# Altium PCB Zotino.PCBDOC (part 5 of 8) (continued)
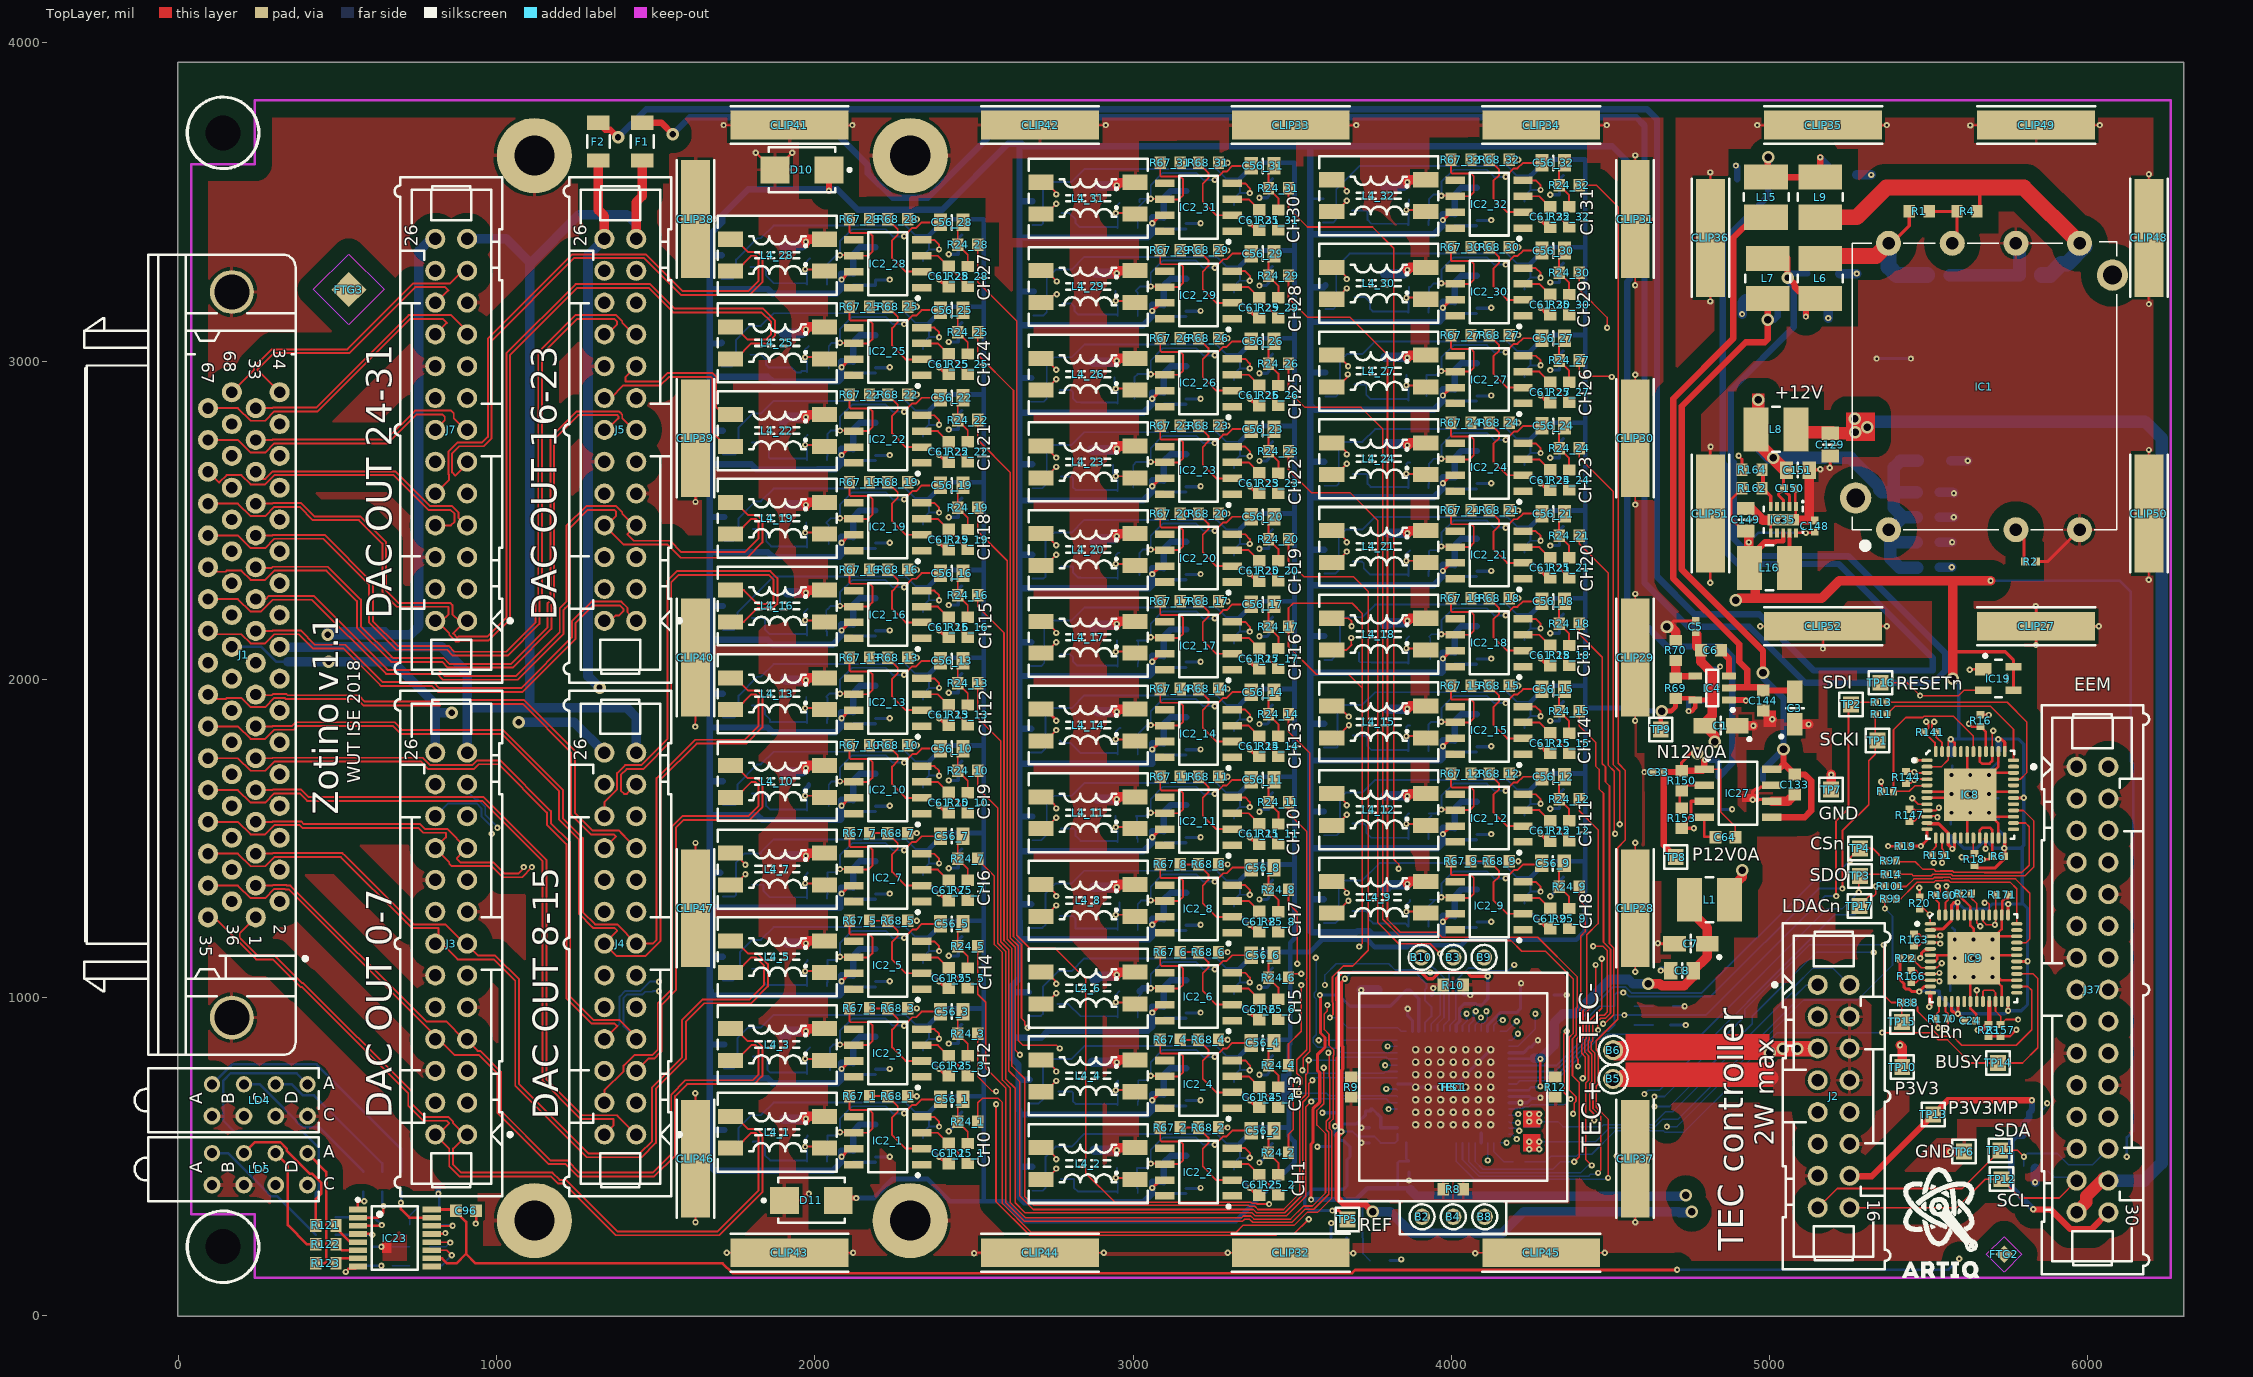
[diagram p0: TopLayer view]
## Nets (pads, with @x,y where several pads share a name; then routed paths per layer and width w, separated by ;. In a path a pad name is that pad's centre, name@x,y a point inside that pad or via, vN(x,y) a via of type N, cw(c..) or ccw(c..) an arc to the next point about the centre after c; other vN are vias at no path point) (continued)
NetC56_1_1: C56_1.1 R24_1.2 R25_1.1 | length 158.6
  TopLayer w6: C56_1.1@2465.43,680 2448.5,663.07 R24_1.2@2448.5,610 2480,578.5 R25_1.1@2480,541.5
NetC56_1_2: C56_1.2 IC2_1.6 R5_1.1 R7_1.1 R67_1.2 | length 804.1
  TopLayer w6: v1(2078.56,576.81) 2120.5,576.81 IC2_1.6@2122.31,575 2167.41,575 2180.2,587.79 2180.2,638.07 2171.62,646.65 2111.62,646.65 2108.5,649.76 R67_1.2@2108.5,690 ; v1(2280,636.02) 2306.3,662.31 2317.55,662.31 2335.23,680 C56_1.2@2394.57,680
  BottomLayer w6: R5_1.1@2037.9,484.5 R5_1.1@2037.9,500 ; R5_1.1@2039.37,500 R7_1.1@2039.37,566.93 2070.87,566.93 2078.56,574.63 v1(2078.56,576.81) 2078.56,619.82 2117.01,658.27 2221.62,658.27 2243.87,636.02 v1(2280,636.02)
NetC56_2_1: C56_2.1 R24_2.2 R25_2.1 | length 158.6
  TopLayer w6: C56_2.1@3441.81,581.58 3424.88,564.65 R24_2.2@3424.88,511.58 3456.38,480.08 R25_2.1@3456.38,443.07
NetC56_2_2: C56_2.2 IC2_2.6 R5_2.1 R7_2.1 R67_2.2 | length 804.5
  TopLayer w6: v1(3054.94,478.38) 3096.88,478.38 IC2_2.6@3098.68,476.57 3143.79,476.57 3156.57,489.36 3156.57,539.65 3148,548.22 3088,548.22 3084.88,551.34 R67_2.2@3084.88,591.57 ; v1(3256.38,537.59) 3282.67,563.89 3293.93,563.89 3311.61,581.58 C56_2.2@3370.94,581.58
  BottomLayer w6: R5_2.1@3011.81,401.57 R7_2.1@3011.81,464.57 3041.13,464.57 v1(3054.94,478.38) 3054.94,521.4 3093.39,559.84 3198,559.84 3220.25,537.59 v1(3256.38,537.59) ; R5_2.1@3014.27,386.07 R5_2.1@3014.27,401.57
NetC56_3_1: C56_3.1 R24_3.2 R25_3.1 | length 158.6
  TopLayer w6: C56_3.1@2465.43,955.59 2448.5,938.66 R24_3.2@2448.5,885.59 2480,854.09 R25_3.1@2480,817.09
NetC56_3_2: C56_3.2 IC2_3.6 R5_3.1 R7_3.1 R67_3.2 | length 783.4
  TopLayer w6: v1(2078.56,852.4) 2120.5,852.4 IC2_3.6@2122.31,850.59 2167.41,850.59 2180.2,863.38 2180.2,913.66 2171.62,922.24 2111.62,922.24 2108.5,925.35 R67_3.2@2108.5,965.59 ; v1(2280,911.61) 2306.3,937.91 2317.55,937.91 2335.23,955.59 C56_3.2@2394.57,955.59
  BottomLayer w6: R7_3.1@2047.24,771.65 R5_3.1@2047.24,842.52 2057.12,852.4 v1(2078.56,852.4) 2078.56,895.42 2117.01,933.86 2221.62,933.86 2243.87,911.61 v1(2280,911.61)
NetC56_4_1: C56_4.1 R24_4.2 R25_4.1 | length 158.6
  TopLayer w6: C56_4.1@3441.81,857.17 3424.88,840.24 R24_4.2@3424.88,787.17 3456.38,755.67 R25_4.1@3456.38,718.66
NetC56_4_2: C56_4.2 IC2_4.6 R5_4.1 R7_4.1 R67_4.2 | length 800.5
  TopLayer w6: v1(3054.94,753.97) 3096.88,753.97 IC2_4.6@3098.68,752.17 3143.79,752.17 3156.57,764.95 3156.57,815.24 3148,823.81 3088,823.81 3084.88,826.93 R67_4.2@3084.88,867.17 ; v1(3256.38,813.18) 3282.67,839.48 3293.93,839.48 3311.61,857.17 C56_4.2@3370.94,857.17
  BottomLayer w6: R7_4.1@3014.27,661.66 R7_4.1@3014.27,673.23 ; R7_4.1@3015.75,673.23 R5_4.1@3015.75,740.16 3041.13,740.16 v1(3054.94,753.97) 3054.94,796.99 3093.39,835.43 3198,835.43 3220.25,813.18 v1(3256.38,813.18)
NetC56_5_1: C56_5.1 R24_5.2 R25_5.1 | length 158.6
  TopLayer w6: C56_5.1@2465.43,1231.18 2448.5,1214.25 R24_5.2@2448.5,1161.18 2480,1129.68 R25_5.1@2480,1092.68
NetC56_5_2: C56_5.2 IC2_5.6 R5_5.1 R7_5.1 R67_5.2 | length 802.8
  TopLayer w6: v1(2078.56,1127.99) 2120.5,1127.99 IC2_5.6@2122.31,1126.18 2167.41,1126.18 2180.2,1138.97 2180.2,1189.25 2171.62,1197.83 2111.62,1197.83 2108.5,1200.94 R67_5.2@2108.5,1241.18 ; v1(2280,1187.2) 2306.3,1213.5 2317.55,1213.5 2335.23,1231.18 C56_5.2@2394.57,1231.18
  BottomLayer w6: R7_5.1@2037.9,1035.68 R7_5.1@2037.9,1047.24 ; R7_5.1@2039.37,1047.24 R5_5.1@2039.37,1118.11 2068.69,1118.11 v1(2078.56,1127.99) 2078.56,1171.01 2117.01,1209.45 2221.62,1209.45 2243.87,1187.2 v1(2280,1187.2)
NetC56_6_1: C56_6.1 R24_6.2 R25_6.1 | length 158.6
  TopLayer w6: C56_6.1@3441.81,1132.76 3424.88,1115.83 R24_6.2@3424.88,1062.76 3456.38,1031.26 R25_6.1@3456.38,994.25
NetC56_6_2: C56_6.2 IC2_6.6 R5_6.1 R7_6.1 R67_6.2 | length 797.1
  TopLayer w6: v1(3054.94,1029.56) 3096.88,1029.56 IC2_6.6@3098.68,1027.76 3143.79,1027.76 3156.57,1040.54 3156.57,1090.83 3148,1099.4 3088,1099.4 3084.88,1102.52 R67_6.2@3084.88,1142.76 ; v1(3256.38,1088.77) 3282.67,1115.07 3293.93,1115.07 3311.61,1132.76 C56_6.2@3370.94,1132.76
  BottomLayer w6: R7_6.1@3014.27,937.25 3014.27,1000.65 R5_6.1@3026.5,1012.87 ; v1(3054.94,1029.56) 3054.94,1072.58 3093.39,1111.02 3198,1111.02 3220.25,1088.77 v1(3256.38,1088.77)
  BottomLayer w20: R5_6.1@3019.69,1019.69 3029.56,1029.56 v1(3054.94,1029.56)
NetC56_7_1: C56_7.1 R24_7.2 R25_7.1 | length 158.6
  TopLayer w6: C56_7.1@2465.43,1506.77 2448.5,1489.84 R24_7.2@2448.5,1436.77 2480,1405.28 R25_7.1@2480,1368.27
NetC56_7_2: C56_7.2 IC2_7.6 R5_7.1 R7_7.1 R67_7.2 | length 802.8
  TopLayer w6: v1(2078.56,1403.58) 2120.5,1403.58 IC2_7.6@2122.31,1401.77 2167.41,1401.77 2180.2,1414.56 2180.2,1464.84 2171.62,1473.42 2111.62,1473.42 2108.5,1476.54 R67_7.2@2108.5,1516.77 ; v1(2280,1462.79) 2306.3,1489.09 2317.55,1489.09 2335.23,1506.77 C56_7.2@2394.57,1506.77
  BottomLayer w6: R7_7.1@2037.9,1311.27 R7_7.1@2037.9,1322.83 ; R7_7.1@2039.37,1322.83 R5_7.1@2039.37,1393.7 2068.69,1393.7 v1(2078.56,1403.58) 2078.56,1446.6 2117.01,1485.04 2221.62,1485.04 2243.87,1462.79 v1(2280,1462.79)
NetC56_8_1: C56_8.1 R24_8.2 R25_8.1 | length 158.6
  TopLayer w6: C56_8.1@3441.81,1408.35 3424.88,1391.42 R24_8.2@3424.88,1338.35 3456.38,1306.85 R25_8.1@3456.38,1269.84
NetC56_8_2: C56_8.2 IC2_8.6 R5_8.1 R7_8.1 R67_8.2 | length 803.4
  TopLayer w6: v1(3054.94,1305.15) 3096.88,1305.15 IC2_8.6@3098.68,1303.35 3143.79,1303.35 3156.57,1316.13 3156.57,1366.42 3148,1374.99 3088,1374.99 3084.88,1378.11 R67_8.2@3084.88,1418.35 ; v1(3256.38,1364.36) 3282.67,1390.66 3293.93,1390.66 3311.61,1408.35 C56_8.2@3370.94,1408.35
  BottomLayer w6: R7_8.1@3014.27,1212.84 3014.27,1293.8 R5_8.1@3019.69,1299.21 3025.62,1305.15 v1(3054.94,1305.15) 3054.94,1348.17 3093.39,1386.61 3198,1386.61 3220.25,1364.36 v1(3256.38,1364.36)
NetC56_9_1: C56_9.1 R24_9.2 R25_9.1 | length 158.6
  TopLayer w6: C56_9.1@4355.2,1418.19 4338.27,1401.26 R24_9.2@4338.27,1348.19 4369.76,1316.69 R25_9.1@4369.76,1279.68
NetC56_9_2: C56_9.2 IC2_9.6 R5_9.1 R7_9.1 R67_9.2 | length 808.8
  TopLayer w6: v1(3968.33,1314.99) 4010.26,1314.99 IC2_9.6@4012.07,1313.19 4057.17,1313.19 4069.96,1325.98 4069.96,1376.26 4061.39,1384.83 4001.39,1384.83 3998.27,1387.95 R67_9.2@3998.27,1428.19 ; v1(4169.76,1374.21) 4196.06,1400.5 4207.31,1400.5 4225,1418.19 C56_9.2@4284.33,1418.19
  BottomLayer w6: R7_9.1@3927.66,1222.69 3927.66,1286.08 R5_9.1@3940.9,1299.32 ; R5_9.1@3933.07,1307.15 R5_9.1@3948.73,1307.15 ; R5_9.1@3940.93,1299.36 R5_9.1@3948.73,1307.15 ; v1(4169.76,1374.21) 4133.63,1374.21 4111.39,1396.46 4006.77,1396.46 3968.33,1358.01 v1(3968.33,1314.99) 3960.49,1307.15 R5_9.1@3948.73,1307.15
NetC56_10_1: C56_10.1 R24_10.2 R25_10.1 | length 158.6
  TopLayer w6: C56_10.1@2465.43,1782.36 2448.5,1765.43 R24_10.2@2448.5,1712.36 2480,1680.87 R25_10.1@2480,1643.86
NetC56_10_2: C56_10.2 IC2_10.6 R5_10.1 R7_10.1 R67_10.2 | length 783.4
  TopLayer w6: v1(2078.56,1679.17) 2120.5,1679.17 IC2_10.6@2122.31,1677.36 2167.41,1677.36 2180.2,1690.15 2180.2,1740.43 2171.62,1749.01 2111.62,1749.01 2108.5,1752.13 R67_10.2@2108.5,1792.36 ; v1(2280,1738.38) 2306.3,1764.68 2317.55,1764.68 2335.23,1782.36 C56_10.2@2394.57,1782.36
  BottomLayer w6: R7_10.1@2043.31,1602.36 R5_10.1@2043.31,1669.29 2053.18,1679.17 v1(2078.56,1679.17) 2078.56,1722.19 2117.01,1760.63 2221.62,1760.63 2243.87,1738.38 v1(2280,1738.38)
NetC56_11_1: C56_11.1 R24_11.2 R25_11.1 | length 158.6
  TopLayer w6: C56_11.1@3441.81,1683.94 3424.88,1667.01 R24_11.2@3424.88,1613.94 3456.38,1582.44 R25_11.1@3456.38,1545.43
NetC56_11_2: C56_11.2 IC2_11.6 R5_11.1 R7_11.1 R67_11.2 | length 812.3
  TopLayer w6: v1(3054.94,1580.74) 3096.88,1580.74 IC2_11.6@3098.68,1578.94 3143.79,1578.94 3156.57,1591.72 3156.57,1642.01 3148,1650.58 3088,1650.58 3084.88,1653.7 R67_11.2@3084.88,1693.94 ; v1(3256.38,1639.96) 3282.67,1666.25 3293.93,1666.25 3311.61,1683.94 C56_11.2@3370.94,1683.94
  BottomLayer w6: R7_11.1@3011.81,1500 3011.81,1566.93 R5_11.1@3007.87,1570.87 3039.37,1570.87 3049.25,1580.74 v1(3054.94,1580.74) 3054.94,1623.76 3093.39,1662.2 3198,1662.2 3220.25,1639.96 v1(3256.38,1639.96) ; R7_11.1@3014.27,1488.43 R7_11.1@3014.27,1500
NetC56_12_1: C56_12.1 R24_12.2 R25_12.1 | length 158.6
  TopLayer w6: C56_12.1@4355.2,1693.78 4338.27,1676.85 R24_12.2@4338.27,1623.78 4369.76,1592.28 R25_12.1@4369.76,1555.27
NetC56_12_2: C56_12.2 IC2_12.6 R5_12.1 R7_12.1 R67_12.2 | length 799.3
  TopLayer w6: v1(3968.33,1590.58) 4010.26,1590.58 IC2_12.6@4012.07,1588.78 4057.17,1588.78 4069.96,1601.57 4069.96,1651.85 4061.39,1660.42 4001.39,1660.42 3998.27,1663.54 R67_12.2@3998.27,1703.78 ; v1(4169.76,1649.8) 4196.06,1676.09 4207.31,1676.09 4225,1693.78 C56_12.2@4284.33,1693.78
  BottomLayer w6: R7_12.1@3927.66,1498.28 3927.66,1561.67 R5_12.1@3936.93,1570.94 ; R5_12.1@3929.13,1578.74 3952.58,1578.74 v1@3964.42,1590.58 ; v1(3968.33,1590.58) v1@3964.42,1590.58 ; v1(4169.76,1649.8) 4133.63,1649.8 4111.39,1672.05 4006.77,1672.05 3968.33,1633.6 3968.33,1594.49 v1@3964.42,1590.58
NetC56_13_1: C56_13.1 R24_13.2 R25_13.1 | length 158.6
  TopLayer w6: C56_13.1@2465.43,2057.95 2448.5,2041.02 R24_13.2@2448.5,1987.95 2480,1956.46 R25_13.1@2480,1919.45
NetC56_13_2: C56_13.2 IC2_13.6 R5_13.1 R7_13.1 R67_13.2 | length 808.4
  TopLayer w6: v1(2078.56,1954.76) 2120.5,1954.76 IC2_13.6@2122.31,1952.95 2167.41,1952.95 2180.2,1965.74 2180.2,2016.02 2171.62,2024.6 2111.62,2024.6 2108.5,2027.72 R67_13.2@2108.5,2067.95 ; v1(2280,2013.97) 2306.3,2040.27 2317.55,2040.27 2335.23,2057.95 C56_13.2@2394.57,2057.95
  BottomLayer w6: R7_13.1@2037.9,1862.45 R7_13.1@2037.9,1874.02 ; R7_13.1@2039.37,1874.02 2039.37,1940.94 R5_13.1@2035.43,1944.88 2045.31,1954.76 v1(2078.56,1954.76) 2078.56,1997.78 2117.01,2036.22 2221.62,2036.22 2243.87,2013.97 v1(2280,2013.97)
NetC56_14_1: C56_14.1 R24_14.2 R25_14.1 | length 158.6
  TopLayer w6: C56_14.1@3441.81,1959.53 3424.88,1942.6 R24_14.2@3424.88,1889.53 3456.38,1858.03 R25_14.1@3456.38,1821.02
NetC56_14_2: C56_14.2 IC2_14.6 R5_14.1 R7_14.1 R67_14.2 | length 793.2
  TopLayer w6: v1(3054.94,1856.33) 3096.88,1856.33 IC2_14.6@3098.68,1854.53 3143.79,1854.53 3156.57,1867.32 3156.57,1917.6 3148,1926.17 3088,1926.17 3084.88,1929.29 R67_14.2@3084.88,1969.53 ; v1(3256.38,1915.55) 3282.67,1941.84 3293.93,1941.84 3311.61,1959.53 C56_14.2@3370.94,1959.53
  BottomLayer w6: R7_14.1@3014.27,1764.02 3014.27,1827.42 3043.18,1856.33 v1(3054.94,1856.33) 3054.94,1899.35 3093.39,1937.8 3198,1937.8 3220.25,1915.55 v1(3256.38,1915.55)
NetC56_15_1: C56_15.1 R24_15.2 R25_15.1 | length 158.6
  TopLayer w6: C56_15.1@4355.2,1969.37 4338.27,1952.44 R24_15.2@4338.27,1899.37 4369.76,1867.87 R25_15.1@4369.76,1830.86
NetC56_15_2: C56_15.2 IC2_15.6 R5_15.1 R7_15.1 R67_15.2 | length 804.6
  TopLayer w6: v1(3968.33,1866.17) 4010.26,1866.17 IC2_15.6@4012.07,1864.37 4057.17,1864.37 4069.96,1877.16 4069.96,1927.44 4061.39,1936.01 4001.39,1936.01 3998.27,1939.13 R67_15.2@3998.27,1979.37 ; v1(4169.76,1925.39) 4196.06,1951.68 4207.31,1951.68 4225,1969.37 C56_15.2@4284.33,1969.37
  BottomLayer w6: R7_15.1@3927.66,1773.87 3927.66,1856.79 3937.04,1866.17 v1(3968.33,1866.17) 3968.33,1909.19 4006.77,1947.64 4111.39,1947.64 4133.63,1925.39 v1(4169.76,1925.39)
NetC56_16_1: C56_16.1 R24_16.2 R25_16.1 | length 158.6
  TopLayer w6: C56_16.1@2465.43,2333.54 2448.5,2316.61 R24_16.2@2448.5,2263.54 2480,2232.05 R25_16.1@2480,2195.04
NetC56_16_2: C56_16.2 IC2_16.6 R5_16.1 R7_16.1 R67_16.2 | length 804.5
  TopLayer w6: v1(2078.56,2230.35) 2120.5,2230.35 IC2_16.6@2122.31,2228.54 2167.41,2228.54 2180.2,2241.33 2180.2,2291.61 2171.62,2300.19 2111.62,2300.19 2108.5,2303.31 R67_16.2@2108.5,2343.54 ; v1(2280,2289.56) 2306.3,2315.86 2317.55,2315.86 2335.23,2333.54 C56_16.2@2394.57,2333.54
  BottomLayer w6: R7_16.1@2035.43,2149.61 2035.43,2216.54 R5_16.1@2039.37,2220.47 2049.25,2230.35 v1(2078.56,2230.35) 2078.56,2273.37 2117.01,2311.81 2221.62,2311.81 2243.87,2289.56 v1(2280,2289.56) ; R7_16.1@2037.9,2138.04 R7_16.1@2037.9,2149.61
NetC56_17_1: C56_17.1 R24_17.2 R25_17.1 | length 158.6
  TopLayer w6: C56_17.1@3441.81,2235.12 3424.88,2218.19 R24_17.2@3424.88,2165.12 3456.38,2133.62 R25_17.1@3456.38,2096.61
NetC56_17_2: C56_17.2 IC2_17.6 R5_17.1 R7_17.1 R67_17.2 | length 808.4
  TopLayer w6: v1(3054.94,2131.92) 3096.88,2131.92 IC2_17.6@3098.68,2130.12 3143.79,2130.12 3156.57,2142.91 3156.57,2193.19 3148,2201.76 3088,2201.76 3084.88,2204.88 R67_17.2@3084.88,2245.12 ; v1(3256.38,2191.14) 3282.67,2217.43 3293.93,2217.43 3311.61,2235.12 C56_17.2@3370.94,2235.12
  BottomLayer w6: R7_17.1@3014.27,2039.61 R7_17.1@3014.27,2051.18 ; R7_17.1@3015.75,2051.18 3015.75,2118.11 R5_17.1@3011.81,2122.05 3045.07,2122.05 v1(3054.94,2131.92) 3054.94,2174.94 3093.39,2213.39 3198,2213.39 3220.25,2191.14 v1(3256.38,2191.14)
NetC56_18_1: C56_18.1 R24_18.2 R25_18.1 | length 158.6
  TopLayer w6: C56_18.1@4355.2,2244.96 4338.27,2228.03 R24_18.2@4338.27,2174.96 4369.76,2143.46 R25_18.1@4369.76,2106.46
NetC56_18_2: C56_18.2 IC2_18.6 R5_18.1 R7_18.1 R67_18.2 | length 792.1
  TopLayer w6: v1(3968.33,2141.77) 4010.26,2141.77 IC2_18.6@4012.07,2139.96 4057.17,2139.96 4069.96,2152.75 4069.96,2203.03 4061.39,2211.61 4001.39,2211.61 3998.27,2214.72 R67_18.2@3998.27,2254.96 ; v1(4169.76,2200.98) 4196.06,2227.28 4207.31,2227.28 4225,2244.96 C56_18.2@4284.33,2244.96
  BottomLayer w5: R5_18.1@3933.07,2062.99 3933.07,2129.92 R7_18.1@3929.13,2133.86 3937.04,2141.77 v1(3968.33,2141.77)
  BottomLayer w6: v1(3968.33,2141.77) 3968.33,2184.78 4006.77,2223.23 4111.39,2223.23 4133.63,2200.98 v1(4169.76,2200.98)
NetC56_19_1: C56_19.1 R24_19.2 R25_19.1 | length 158.6
  TopLayer w6: C56_19.1@2465.43,2609.13 2448.5,2592.21 R24_19.2@2448.5,2539.13 2480,2507.64 R25_19.1@2480,2470.63
NetC56_19_2: C56_19.2 IC2_19.6 R5_19.1 R7_19.1 R67_19.2 | length 796.2
  TopLayer w6: v1(2078.56,2505.94) 2120.5,2505.94 IC2_19.6@2122.31,2504.13 2167.41,2504.13 2180.2,2516.92 2180.2,2567.2 2171.62,2575.78 2111.62,2575.78 2108.5,2578.9 R67_19.2@2108.5,2619.13 ; v1(2280,2565.15) 2306.3,2591.45 2317.55,2591.45 2335.23,2609.13 C56_19.2@2394.57,2609.13
  BottomLayer w6: R5_19.1@2043.31,2425.2 2043.31,2484.25 R7_19.1@2035.43,2492.13 2049.25,2505.94 v1(2078.56,2505.94) 2078.56,2548.96 2117.01,2587.4 2221.62,2587.4 2243.87,2565.15 v1(2280,2565.15)
NetC56_20_1: C56_20.1 R24_20.2 R25_20.1 | length 158.6
  TopLayer w6: C56_20.1@3441.81,2510.71 3424.88,2493.78 R24_20.2@3424.88,2440.71 3456.38,2409.21 R25_20.1@3456.38,2372.21
NetC56_20_2: C56_20.2 IC2_20.6 R5_20.1 R7_20.1 R67_20.2 | length 787.3
  TopLayer w6: v1(3054.94,2407.51) 3096.88,2407.51 IC2_20.6@3098.68,2405.71 3143.79,2405.71 3156.57,2418.5 3156.57,2468.78 3148,2477.35 3088,2477.35 3084.88,2480.47 R67_20.2@3084.88,2520.71 ; v1(3256.38,2466.73) 3282.67,2493.02 3293.93,2493.02 3311.61,2510.71 C56_20.2@3370.94,2510.71
  BottomLayer w6: R7_20.1@3019.69,2326.77 R5_20.1@3019.69,2397.64 3029.56,2407.51 v1(3054.94,2407.51) 3054.94,2450.53 3093.39,2488.98 3198,2488.98 3220.25,2466.73 v1(3256.38,2466.73)
NetC56_21_1: C56_21.1 R24_21.2 R25_21.1 | length 158.6
  TopLayer w6: C56_21.1@4355.2,2520.55 4338.27,2503.62 R24_21.2@4338.27,2450.55 4369.76,2419.05 R25_21.1@4369.76,2382.05
NetC56_21_2: C56_21.2 IC2_21.6 R5_21.1 R7_21.1 R67_21.2 | length 799.5
  TopLayer w6: v1(3968.33,2417.36) 4010.26,2417.36 IC2_21.6@4012.07,2415.55 4057.17,2415.55 4069.96,2428.34 4069.96,2478.62 4061.39,2487.2 4001.39,2487.2 3998.27,2490.31 R67_21.2@3998.27,2530.55 ; v1(4169.76,2476.57) 4196.06,2502.87 4207.31,2502.87 4225,2520.55 C56_21.2@4284.33,2520.55
  BottomLayer w6: R7_21.1@3927.66,2325.05 R7_21.1@3927.66,2338.58 ; R7_21.1@3929.13,2338.58 3929.13,2401.57 R5_21.1@3933.07,2405.51 3956.69,2405.51 3968.33,2417.15 v1(3968.33,2417.36) 3968.33,2460.38 4006.77,2498.82 4111.39,2498.82 4133.63,2476.57 v1(4169.76,2476.57)
NetC56_22_1: C56_22.1 R24_22.2 R25_22.1 | length 158.6
  TopLayer w6: C56_22.1@2465.43,2884.73 2448.5,2867.8 R24_22.2@2448.5,2814.72 2480,2783.23 R25_22.1@2480,2746.22
NetC56_22_2: C56_22.2 IC2_22.6 R5_22.1 R7_22.1 R67_22.2 | length 802.8
  TopLayer w6: v1(2078.56,2781.53) 2120.5,2781.53 IC2_22.6@2122.31,2779.72 2167.41,2779.72 2180.2,2792.51 2180.2,2842.8 2171.62,2851.37 2111.62,2851.37 2108.5,2854.49 R67_22.2@2108.5,2894.72 ; v1(2280,2840.74) 2306.3,2867.04 2317.55,2867.04 2335.23,2884.73 C56_22.2@2394.57,2884.73
  BottomLayer w6: R7_22.1@2037.9,2689.22 R7_22.1@2037.9,2700.79 ; R7_22.1@2039.37,2700.79 R5_22.1@2039.37,2771.65 2049.25,2781.53 v1(2078.56,2781.53) 2078.56,2824.55 2117.01,2862.99 2221.62,2862.99 2243.87,2840.74 v1(2280,2840.74)
NetC56_23_1: C56_23.1 R24_23.2 R25_23.1 | length 158.6
  TopLayer w6: C56_23.1@3441.81,2786.3 3424.88,2769.37 R24_23.2@3424.88,2716.3 3456.38,2684.8 R25_23.1@3456.38,2647.8
NetC56_23_2: C56_23.2 IC2_23.6 R5_23.1 R7_23.1 R67_23.2 | length 807
  TopLayer w6: v1(3054.94,2683.1) 3096.88,2683.1 IC2_23.6@3098.68,2681.3 3143.79,2681.3 3156.57,2694.09 3156.57,2744.37 3148,2752.94 3088,2752.94 3084.88,2756.06 R67_23.2@3084.88,2796.3 ; v1(3256.38,2742.32) 3282.67,2768.61 3293.93,2768.61 3311.61,2786.3 C56_23.2@3370.94,2786.3
  BottomLayer w6: R7_23.1@3000,2602.36 R5_23.1@3000,2673.23 3009.88,2683.1 v1(3054.94,2683.1) 3054.94,2726.12 3093.39,2764.57 3198,2764.57 3220.25,2742.32 v1(3256.38,2742.32)
NetC56_24_1: C56_24.1 R24_24.2 R25_24.1 | length 158.6
  TopLayer w6: C56_24.1@4355.2,2796.14 4338.27,2779.21 R24_24.2@4338.27,2726.14 4369.76,2694.64 R25_24.1@4369.76,2657.64
NetC56_24_2: C56_24.2 IC2_24.6 R5_24.1 R7_24.1 R67_24.2 | length 799.4
  TopLayer w6: v1(3968.33,2692.95) 4010.26,2692.95 IC2_24.6@4012.07,2691.14 4057.17,2691.14 4069.96,2703.93 4069.96,2754.21 4061.39,2762.79 4001.39,2762.79 3998.27,2765.91 R67_24.2@3998.27,2806.14 ; v1(4169.76,2752.16) 4196.06,2778.46 4207.31,2778.46 4225,2796.14 C56_24.2@4284.33,2796.14
  BottomLayer w6: R7_24.1@3927.66,2600.64 R7_24.1@3927.66,2614.17 ; R7_24.1@3929.13,2614.17 3929.13,2677.17 R5_24.1@3933.07,2681.1 3944.91,2692.95 v1(3968.33,2692.95) 3968.33,2735.97 4006.77,2774.41 4111.39,2774.41 4133.63,2752.16 v1(4169.76,2752.16)
NetC56_25_1: C56_25.1 R24_25.2 R25_25.1 | length 158.6
  TopLayer w6: C56_25.1@2465.43,3160.31 2448.5,3143.39 R24_25.2@2448.5,3090.32 2480,3058.82 R25_25.1@2480,3021.81
NetC56_25_2: C56_25.2 IC2_25.6 R5_25.1 R7_25.1 R67_25.2 | length 787.3
  TopLayer w6: v1(2078.56,3057.12) 2120.5,3057.12 IC2_25.6@2122.31,3055.32 2167.41,3055.32 2180.2,3068.1 2180.2,3118.39 2171.62,3126.96 2111.62,3126.96 2108.5,3130.08 R67_25.2@2108.5,3170.32 ; v1(2280,3116.33) 2306.3,3142.63 2317.55,3142.63 2335.23,3160.32 C56_25.2@2394.57,3160.31
  BottomLayer w6: R7_25.1@2043.31,2976.38 R5_25.1@2043.31,3047.24 2053.18,3057.12 v1(2078.56,3057.12) 2078.56,3100.14 2117.01,3138.58 2221.62,3138.58 2243.87,3116.33 v1(2280,3116.33)
NetC56_26_1: C56_26.1 R24_26.2 R25_26.1 | length 158.6
  TopLayer w6: C56_26.1@3441.81,3061.89 3424.88,3044.96 R24_26.2@3424.88,2991.89 3456.38,2960.39 R25_26.1@3456.38,2923.39
NetC56_26_2: C56_26.2 IC2_26.6 R5_26.1 R7_26.1 R67_26.2 | length 799.1
  TopLayer w6: v1(3054.94,2958.69) 3096.88,2958.69 IC2_26.6@3098.68,2956.89 3143.79,2956.89 3156.57,2969.68 3156.57,3019.96 3148,3028.53 3088,3028.53 3084.88,3031.65 R67_26.2@3084.88,3071.89 ; v1(3256.38,3017.91) 3282.67,3044.2 3293.93,3044.2 3311.61,3061.89 C56_26.2@3370.94,3061.89
  BottomLayer w6: R7_26.1@3003.94,2881.89 R5_26.1@3003.94,2948.82 3013.81,2958.69 v1(3054.94,2958.69) 3054.94,3001.71 3093.39,3040.16 3198,3040.16 3220.25,3017.91 v1(3256.38,3017.91)
NetC56_27_1: C56_27.1 R24_27.2 R25_27.1 | length 158.6
  TopLayer w6: C56_27.1@4355.2,3071.73 4338.27,3054.8 R24_27.2@4338.27,3001.73 4369.76,2970.24 R25_27.1@4369.76,2933.23
NetC56_27_2: C56_27.2 IC2_27.6 R5_27.1 R7_27.1 R67_27.2 | length 796
  TopLayer w6: v1(3968.33,2968.54) 4010.26,2968.54 IC2_27.6@4012.07,2966.73 4057.17,2966.73 4069.96,2979.52 4069.96,3029.8 4061.39,3038.38 4001.39,3038.38 3998.27,3041.5 R67_27.2@3998.27,3081.73 ; v1(4169.76,3027.75) 4196.06,3054.05 4207.31,3054.05 4225,3071.73 C56_27.2@4284.33,3071.73
  BottomLayer w6: R7_27.1@3921.26,2889.76 R5_27.1@3921.26,2956.69 3952.76,2956.69 3964.6,2968.54 v1(3968.33,2968.54) 3968.33,3011.56 4006.77,3050 4111.39,3050 4133.63,3027.75 v1(4169.76,3027.75)
NetC56_28_1: C56_28.1 R24_28.2 R25_28.1 | length 158.6
  TopLayer w6: C56_28.1@2465.43,3435.9 2448.5,3418.98 R24_28.2@2448.5,3365.91 2480,3334.41 R25_28.1@2480,3297.4
NetC56_28_2: C56_28.2 IC2_28.6 R5_28.1 R7_28.1 R67_28.2 | length 793.2
  TopLayer w6: v1(2078.56,3332.71) 2120.5,3332.71 IC2_28.6@2122.31,3330.91 2167.41,3330.91 2180.2,3343.69 2180.2,3393.98 2171.62,3402.55 2111.62,3402.55 2108.5,3405.67 R67_28.2@2108.5,3445.91 ; v1(2280,3391.92) 2306.3,3418.22 2317.55,3418.22 2335.23,3435.91 C56_28.2@2394.57,3435.9
  BottomLayer w6: R7_28.1@2037.9,3240.4 2037.9,3303.8 2066.81,3332.71 v1(2078.56,3332.71) 2078.56,3375.73 2117.01,3414.17 2221.62,3414.17 2243.87,3391.92 v1(2280,3391.92)
NetC56_29_1: C56_29.1 R24_29.2 R25_29.1 | length 158.6
  TopLayer w6: C56_29.1@3441.81,3337.48 3424.88,3320.55 R24_29.2@3424.88,3267.48 3456.38,3235.98 R25_29.1@3456.38,3198.98
NetC56_29_2: C56_29.2 IC2_29.6 R5_29.1 R7_29.1 R67_29.2 | length 811
  TopLayer w6: v1(3054.94,3234.29) 3096.88,3234.29 IC2_29.6@3098.68,3232.48 3143.79,3232.48 3156.57,3245.27 3156.57,3295.55 3148,3304.13 3088,3304.13 3084.88,3307.24 R67_29.2@3084.88,3347.48 ; v1(3256.38,3293.5) 3282.67,3319.8 3293.93,3319.8 3311.61,3337.48 C56_29.2@3370.94,3337.48
  BottomLayer w6: R7_29.1@3014.27,3141.98 3014.27,3214.07 R5_29.1@3007.87,3220.47 3021.69,3234.29 v1(3054.94,3234.29) 3054.94,3277.3 3093.39,3315.75 3198,3315.75 3220.25,3293.5 v1(3256.38,3293.5)
NetC56_30_1: C56_30.1 R24_30.2 R25_30.1 | length 158.6
  TopLayer w6: C56_30.1@4355.2,3347.32 4338.27,3330.39 R24_30.2@4338.27,3277.32 4369.76,3245.83 R25_30.1@4369.76,3208.82
NetC56_30_2: C56_30.2 IC2_30.6 R5_30.1 R7_30.1 R67_30.2 | length 801.7
  TopLayer w6: v1(3968.33,3244.13) 4010.26,3244.13 IC2_30.6@4012.07,3242.32 4057.17,3242.32 4069.96,3255.11 4069.96,3305.39 4061.39,3313.97 4001.39,3313.97 3998.27,3317.09 R67_30.2@3998.27,3357.32 ; v1(4169.76,3303.34) 4196.06,3329.64 4207.31,3329.64 4225,3347.32 C56_30.2@4284.33,3347.32
  BottomLayer w6: R7_30.1@3927.66,3151.82 R7_30.1@3927.66,3165.35 ; R7_30.1@3929.13,3165.35 R5_30.1@3929.13,3232.28 3933.07,3232.28 3944.91,3244.13 v1(3968.33,3244.13) 3968.33,3287.15 4006.77,3325.59 4111.39,3325.59 4133.63,3303.34 v1(4169.76,3303.34)
NetC56_31_1: C56_31.1 R24_31.2 R25_31.1 | length 158.6
  TopLayer w6: C56_31.1@3441.81,3613.07 3424.88,3596.14 R24_31.2@3424.88,3543.07 3456.38,3511.57 R25_31.1@3456.38,3474.57
NetC56_31_2: C56_31.2 IC2_31.6 R5_31.1 R7_31.1 R67_31.2 | length 825.4
  TopLayer w6: v1(3054.94,3509.88) 3096.88,3509.88 IC2_31.6@3098.68,3508.07 3143.79,3508.07 3156.57,3520.86 3156.57,3571.14 3148,3579.72 3088,3579.72 3084.88,3582.83 R67_31.2@3084.88,3623.07 ; v1(3256.38,3569.09) 3282.67,3595.39 3293.93,3595.39 3311.61,3613.07 C56_31.2@3370.94,3613.07
  BottomLayer w6: R7_31.1@3014.27,3417.57 3014.27,3480.97 3043.18,3509.88 ; R5_31.1@3019.69,3500 3019.69,3507.87 3021.69,3509.88 3043.18,3509.88 ; v1(3256.38,3569.09) 3220.25,3569.09 3198,3591.34 3093.39,3591.34 3054.94,3552.9 v1(3054.94,3509.88) 3043.18,3509.88
NetC56_32_1: C56_32.1 R24_32.2 R25_32.1 | length 158.6
  TopLayer w6: C56_32.1@4355.2,3622.91 4338.27,3605.98 R24_32.2@4338.27,3552.91 4369.76,3521.42 R25_32.1@4369.76,3484.41
NetC56_32_2: C56_32.2 IC2_32.6 R5_32.1 R7_32.1 R67_32.2 | length 801.2
  TopLayer w6: v1(3968.33,3519.72) 4010.26,3519.72 IC2_32.6@4012.07,3517.91 4057.17,3517.91 4069.96,3530.7 4069.96,3580.98 4061.39,3589.56 4001.39,3589.56 3998.27,3592.68 R67_32.2@3998.27,3632.91 ; v1(4169.76,3578.93) 4196.06,3605.23 4207.31,3605.23 4225,3622.91 C56_32.2@4284.33,3622.91
  BottomLayer w6: R7_32.1@3927.66,3427.41 R7_32.1@3927.66,3440.94 ; R7_32.1@3929.13,3440.94 R5_32.1@3929.13,3507.87 3944.88,3523.62 3960.7,3523.62 v1@3964.6,3519.72 ; v1(3968.33,3519.72) 3968.33,3562.74 4006.77,3601.18 4111.39,3601.18 4133.63,3578.93 v1(4169.76,3578.93)
NetC61_1_2: C61_1.2 IC2_1.3 R25_1.2 | length 186.8
  TopLayer w6: IC2_1.3@2334.9,575 2386.5,575 C61_1.2@2420,541.5 2451.5,510 2451.5,507.01 R25_1.2@2480,478.5
NetC61_2_2: C61_2.2 IC2_2.3 R25_2.2 | length 187.9
  TopLayer w6: IC2_2.3@3311.28,476.57 3362.87,476.57 3427.87,411.57 3427.87,406.77 3454.57,380.08 R25_2.2@3456.38,380.08
NetC61_3_2: C61_3.2 IC2_3.3 R25_3.2 | length 186.8
  TopLayer w6: IC2_3.3@2334.9,850.59 2386.5,850.59 2451.5,785.59 2451.5,782.6 R25_3.2@2480,754.09
NetC61_4_2: C61_4.2 IC2_4.3 R25_4.2 | length 186.8
  TopLayer w6: IC2_4.3@3311.28,752.17 3362.87,752.17 3427.87,687.17 3427.87,684.17 R25_4.2@3456.38,655.67
NetC61_5_2: C61_5.2 IC2_5.3 R25_5.2 | length 186.8
  TopLayer w6: IC2_5.3@2334.9,1126.18 2386.5,1126.18 C61_5.2@2420,1092.68 2451.5,1061.18 2451.5,1058.19 R25_5.2@2480,1029.68
NetC61_6_2: C61_6.2 IC2_6.3 R25_6.2 | length 186.8
  TopLayer w6: IC2_6.3@3311.28,1027.76 3362.87,1027.76 3427.87,962.76 3427.87,959.76 R25_6.2@3456.38,931.26
NetC61_7_2: C61_7.2 IC2_7.3 R25_7.2 | length 186.8
  TopLayer w6: IC2_7.3@2334.9,1401.77 2386.5,1401.77 2451.5,1336.77 2451.5,1333.78 R25_7.2@2480,1305.27
NetC61_8_2: C61_8.2 IC2_8.3 R25_8.2 | length 186.8
  TopLayer w6: IC2_8.3@3311.28,1303.35 3362.87,1303.35 C61_8.2@3396.38,1269.84 3427.87,1238.35 3427.87,1235.35 R25_8.2@3456.38,1206.85
NetC61_9_2: C61_9.2 IC2_9.3 R25_9.2 | length 186.8
  TopLayer w6: IC2_9.3@4224.67,1313.19 4276.26,1313.19 C61_9.2@4309.76,1279.69 4350.39,1239.06 4350.39,1236.06 R25_9.2@4369.76,1216.69
NetC61_10_2: C61_10.2 IC2_10.3 R25_10.2 | length 186.8
  TopLayer w6: IC2_10.3@2334.9,1677.36 2386.5,1677.36 2480,1583.86 R25_10.2@2480,1580.87
NetC61_11_2: C61_11.2 IC2_11.3 R25_11.2 | length 186.8
  TopLayer w6: IC2_11.3@3311.28,1578.94 3362.87,1578.94 3427.87,1513.94 3427.87,1510.94 R25_11.2@3456.38,1482.44
NetC61_12_2: C61_12.2 IC2_12.3 R25_12.2 | length 186.8
  TopLayer w6: IC2_12.3@4224.67,1588.78 4276.26,1588.78 C61_12.2@4309.76,1555.28 4350.24,1514.8 4350.24,1511.81 R25_12.2@4369.76,1492.28
NetC61_13_2: C61_13.2 IC2_13.3 R25_13.2 | length 186.8
  TopLayer w6: IC2_13.3@2334.9,1952.95 2386.5,1952.95 C61_13.2@2420,1919.45 2451.5,1887.95 2451.5,1884.96 R25_13.2@2480,1856.46
NetC61_14_2: C61_14.2 IC2_14.3 R25_14.2 | length 186.8
  TopLayer w6: IC2_14.3@3311.28,1854.53 3362.87,1854.53 3427.87,1789.53 3427.87,1786.53 R25_14.2@3456.38,1758.03
NetC61_15_2: C61_15.2 IC2_15.3 R25_15.2 | length 186.8
  TopLayer w6: IC2_15.3@4224.67,1864.37 4276.26,1864.37 C61_15.2@4309.76,1830.87 4350.24,1790.39 4350.24,1787.4 R25_15.2@4369.76,1767.87
NetC61_16_2: C61_16.2 IC2_16.3 R25_16.2 | length 186.8
  TopLayer w6: IC2_16.3@2334.9,2228.54 2386.5,2228.54 C61_16.2@2420,2195.04 2451.5,2163.54 2451.5,2160.55 R25_16.2@2480,2132.05
NetC61_17_2: C61_17.2 IC2_17.3 R25_17.2 | length 187.9
  TopLayer w6: IC2_17.3@3311.28,2130.12 3362.87,2130.12 C61_17.2@3396.38,2096.61 3430,2062.99 3430,2058.19 3454.57,2033.62 R25_17.2@3456.38,2033.62
NetC61_18_2: C61_18.2 IC2_18.3 R25_18.2 | length 186.8
  TopLayer w6: IC2_18.3@4224.67,2139.96 4276.26,2139.96 4341.26,2074.96 4341.26,2071.97 R25_18.2@4369.76,2043.46
NetC61_19_2: C61_19.2 IC2_19.3 R25_19.2 | length 187.9
  TopLayer w6: IC2_19.3@2334.9,2504.13 2386.5,2504.13 2453.62,2437.01 2453.62,2432.2 2478.19,2407.64 R25_19.2@2480,2407.64
NetC61_20_2: C61_20.2 IC2_20.3 R25_20.2 | length 186.8
  TopLayer w6: IC2_20.3@3311.28,2405.71 3362.87,2405.71 3427.87,2340.71 3427.87,2337.72 R25_20.2@3456.38,2309.21